# Altium PCB PCB1.PcbDoc (part 1 of 5) (continued)
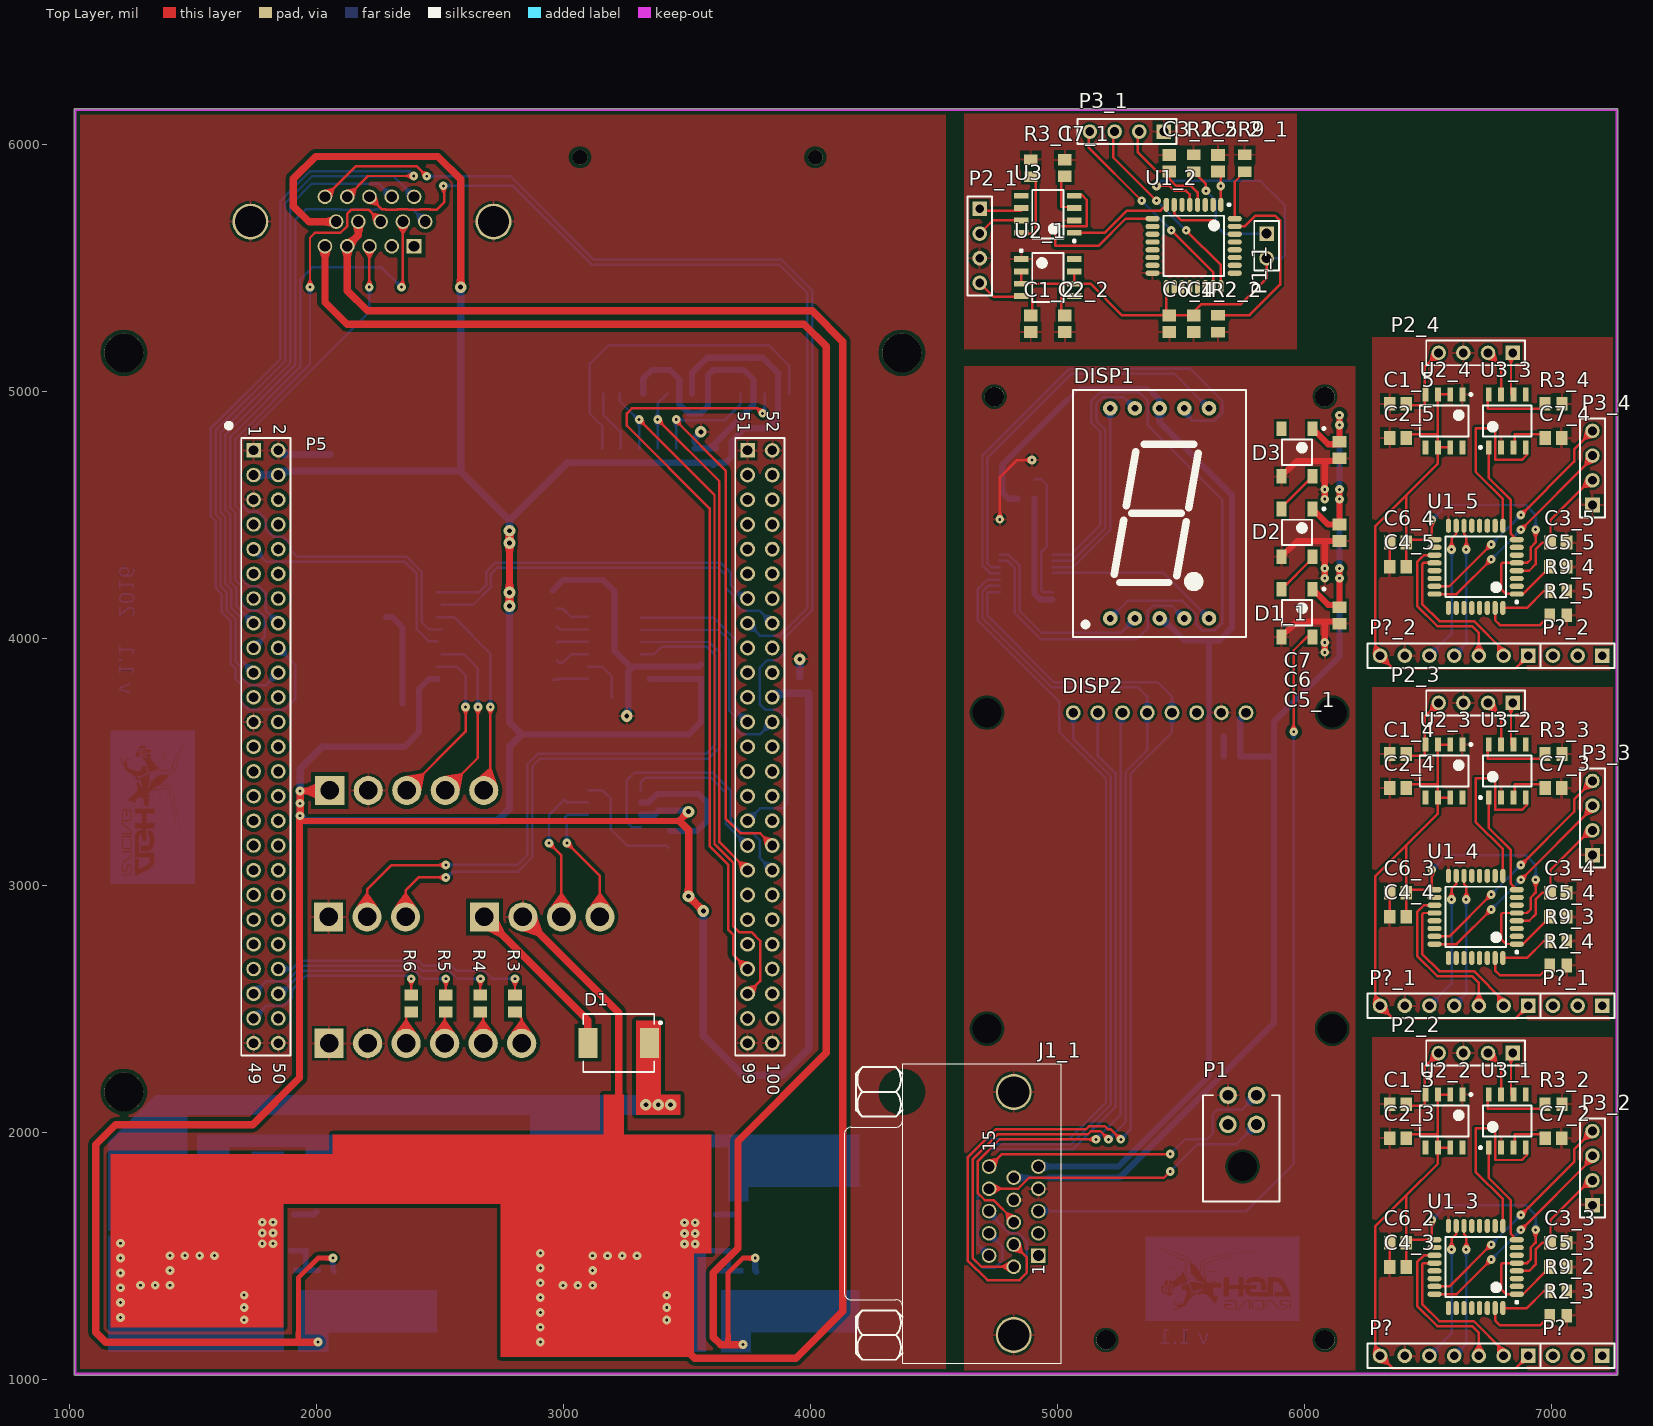
[diagram p0: Top Layer view]
## Footprints (in the part's own frame and the unit in brackets; to place one, negate y for a bottom-side part, rotate by r counter-clockwise, add the part's x,y. Pads: shape width x height; smd on the part's side, far side on the other; paste and mask are expansions set on the pad) (continued)
  silkscreen extent -5.08,-1.27 5.08,1.27, body extent -5.08,-1.27 5.08,1.27, height 8.6
HDR1X7 [mm]
  rect 1.5x1.5 hole 0.9: 1(-7.62,0)
  round 1.5 hole 0.9: 2(-5.08,0) 3(-2.54,0) 4(0,0) 5(2.54,0) 6(5.08,0) 7(7.62,0)
  silkscreen extent -8.89,-1.27 8.89,1.27, body extent -8.89,-1.27 8.89,1.27, height 8.6
HDR_1x3_3_94_LOCKING [mm]
  rect 3x3 hole 1.9: 1(-3.96,0)
  round 3 hole 1.9: 2(0,0) 3(3.96,0)
  silkscreen extent -6.25,-5.84 6.25,4.83
HDR_1x4_3_94_LOCKING [mm]
  rect 3x3 hole 1.9: 1(-5.94,0)
  round 3 hole 1.9: 2(-1.98,0) 3(1.98,0) 4(5.94,0)
  silkscreen extent -8.23,-5.84 8.23,4.83, body extent -7.97,-5.6 7.98,4.6, height 13.85
HDR_1x5_3_94_LOCKING [mm]
  rect 3x3 hole 1.9: 1(-15.84,0)
  round 3 hole 1.9: 2(-11.88,0) 3(-7.92,0) 4(-3.96,0) 5(0,0)
  silkscreen extent -18.13,-5.84 2.29,4.83, body extent -17.92,-5.6 1.99,4.6, height 13.85
HDR_1x6_3_94_LOCKING [mm]
  rect 3x3 hole 1.9: 1(-9.9,0)
  round 3 hole 1.9: 2(-5.94,0) 3(-1.98,0) 4(1.98,0) 5(5.94,0) 6(9.9,0)
  silkscreen extent -12.19,-5.84 12.19,4.83, body extent -11.93,-5.6 11.94,4.6, height 13.85
IND_DL50_IPC_MD [mm] "DL50, Inductor, Ferrocore, IPC Medium Density"
  rect 3.7x2.65 smd: 1(-8,0) 2(8,0)
  silkscreen extent -9.3,-7.6 9.3,7.6, body extent -9.18,-7.62 9.18,7.62, height 7.21
LQFP32_IPS_MD [mm] "LQFP, 32-Leads, Body 7,00x7,00mm, Pitch 0,80mm, IPC Medium Density"
  oval 1.45x0.55 smd mask+0.15: 1(-4.225,2.8) 2(-4.225,2) 3(-4.225,1.2) 4(-4.225,0.4) 5(-4.225,-0.4) 6(-4.225,-1.2) 7(-4.225,-2) 8(-4.225,-2.8) 17(4.225,-2.8) 18(4.225,-2) 19(4.225,-1.2) 20(4.225,-0.4) 21(4.225,0.4) 22(4.225,1.2) 23(4.225,2) 24(4.225,2.8)
  oval 0.55x1.45 smd mask+0.15: 9(-2.8,-4.225) 10(-2,-4.225) 11(-1.2,-4.225) 12(-0.4,-4.225) 13(0.4,-4.225) 14(1.2,-4.225) 15(2,-4.225) 16(2.8,-4.225) 25(2.8,4.225) 26(2,4.225) 27(1.2,4.225) 28(0.4,4.225) 29(-0.4,4.225) 30(-1.2,4.225) 31(-2,4.225) 32(-2.8,4.225)
  silkscreen extent -4.35,-3.1 3.1,3.75, body extent -4.5,-4.5 4.5,4.5, height 1.6
MOLEX_4_PIN [mm]
  round 1.8 hole 1.12: 1(1.45,0.66) 2(1.475,3.66) 3(-1.475,0.66) 4(-1.45,3.66)
  round 0 hole 3: ""(0.025,-3.66)
  silkscreen extent -4.04,-7.26 3.84,3.66, body extent -5.05,-8.26 5.1,3.98, height 8.77
OLED_1.3_INCH [mm]
  round 1.524 hole 1: 1(8.89,0) 2(6.35,0) 3(3.81,0) 4(1.27,0) 5(-1.27,0) 6(-3.81,0) 7(-6.35,0) 8(-8.89,0)
  round 0 hole 3: ""(-17.75,-32.5) ""(-17.75,0) ""(17.75,-32.5) ""(17.75,0)
  body extent -20.25,-35 20.25,2.5, height 12.5
RES_0805_IPC_MD [mm] "Chip Resistor, 2-Leads, 0805, Royal Ohm, IPC Medium Density"
  rect 1.1x1.4 smd: 1(-0.875,0) 2(0.875,0)
  body extent -1.08,-0.7 1.07,0.7, height 0.65
RES_1206_IPC_MD [mm] "Chip Resistor, 2-Leads, 1206, IPC Medium Density"
  rect 1.25x1.75 smd: 1(-1.4,0) 2(1.4,0)
  silkscreen extent -0.4,-0.77 0.4,0.77, body extent -1.68,-0.87 1.68,0.87, height 0.71
SO_16_IPC_MD [mm] "SO, 16-Leads, Pitch 1,27mm, IPC Medium Density"
  rect 1.45x0.6 smd: 1(-2.725,4.445) 2(-2.725,3.175) 3(-2.725,1.905) 4(-2.725,0.635) 5(-2.725,-0.635) 6(-2.725,-1.905) 7(-2.725,-3.175) 8(-2.725,-4.445) 9(2.725,-4.445) 10(2.725,-3.175) 11(2.725,-1.905) 12(2.725,-0.635) 13(2.725,0.635) 14(2.725,1.905) 15(2.725,3.175) 16(2.725,4.445)
  silkscreen extent -2.85,-5 1.6,5.42, body extent -3,-5 3,5, height 1.75
SOIC_8_IPC_MD [mm] "SOIC, 8-Leads, Pitch 1,27mm, IPC Medium Density"
  rect 1.45x0.6 smd: 1(-2.725,1.905) 2(-2.725,0.635) 3(-2.725,-0.635) 4(-2.725,-1.905) 5(2.725,-1.905) 6(2.725,-0.635) 7(2.725,0.635) 8(2.725,1.905)
  silkscreen extent -2.85,-2.5 1.6,2.88, body extent -3,-2.5 3,2.5, height 1.75
SOIC_8_THERMAL_PAD_IPC_MD [mm] "SOIC, 8-Leads, Thermal Pad 3,10x2,60mm, IPC Medium Density"
  rect 1.45x0.6 smd: 1(-2.725,1.905) 2(-2.725,0.635) 3(-2.725,-0.635) 4(-2.725,-1.905) 5(2.725,-1.905) 6(2.725,-0.635) 7(2.725,0.635) 8(2.725,1.905)
  rect 2.6x3.1 smd: 9(0,0)
  silkscreen extent -2.85,-2.5 1.6,2.88, body extent -3,-2.5 3,2.5, height 1.75
SSOP_16_IPC_MD [mm] "SSOP, 16-Leads, Pitch 0,64mm, IPC Medium Density"
  rect 1.45x0.35 smd mask+0.145: 1(-2.725,2.24) 2(-2.725,1.6) 3(-2.725,0.96) 4(-2.725,0.32) 5(-2.725,-0.32) 6(-2.725,-0.96) 7(-2.725,-1.6) 8(-2.725,-2.24) 9(2.725,-2.24) 10(2.725,-1.6) 11(2.725,-0.96) 12(2.725,-0.32) 13(2.725,0.32) 14(2.725,0.96) 15(2.725,1.6) 16(2.725,2.24)
  silkscreen extent -2.85,-2.5 1.6,3.14, body extent -3,-2.5 3,2.5, height 1.75
WS2812B [mm]
  rect 1.5x1 smd: 1(-2.45,1.6) 2(-2.45,-1.6) 3(2.45,-1.6) 4(2.45,1.6)
  silkscreen extent -2.6,-1.52 1.27,2.89, body extent -2.68,-2.48 2.68,2.47, height 1.7

## Part data
C1 C1_1 C1_2 C1_3 C1_4 C1_5 C2 C2_1 C2_2 C2_3 C2_4 C2_5 C3 C3_1 C3_2 C3_3 C3_4 C3_5 C4 C4_1 C4_2 C4_3 C4_4 C4_5 C5 C5_1 C5_2 C5_3 C5_4 C5_5 C6 C6_1 C6_2 C6_3 C6_4 C7 C7_1 C7_2 C7_3 C7_4 C7_U_PS1 C7_U_PS2 C8_U_PS1 C8_U_PS2 C9_U_PS1 C9_U_PS2 C10 C11 C12 C13 C14 C15 C16 C17: "Capacitor"
C6_U_PS1 C6_U_PS2 C19_U_PS1 C19_U_PS2: "Polarized Capacitor (Axial)"
D1 D2_U_PS1 D2_U_PS2: "Schottky Diode"
D1_1 D2 D3: "Programmable RGB LED"
DISP1: "OPTO PLUS LED CORP. OPD-S8023LB-BW"
J1 J1_1: "Receptacle Assembly, 15-Pin, Sim Line Connector"
P1: "4 pin socket"
P1_1: library part "Header 2", "Header, 2-Pin"
P2: library part MHDR1X3, "ST1212 3 pin waterproof connector"
P2_1 P2_2 P2_3 P2_4 P3 P3_1 P3_2 P3_3 P3_4: library part "Header 4", "Header, 4-Pin"
P4: library part "Header 5", "Header, 5-Pin"
P5: "STM32F4DISCOVERY connector for shield"
P6: library part "Header 6", "Header, 6-Pin"
P7: "WR-CRD SD_Push and Push"
P? P?_1 P?_2: "Header, 3-Pin"
R1 R1_1 R1_2 R2 R2_1 R2_2 R2_3 R2_4 R2_5 R3 R3_1 R3_2 R3_3 R3_4 R4 R5 R6 R7_U_PS1 R7_U_PS2 R8_U_PS1 R8_U_PS2 R9 R9_1 R9_2 R9_3 R9_4 R10 R11 R12 R13: "Resistor"
U1 U3 U3_1 U3_2 U3_3: library part SN65HVD230DR, "3.3V CAN Transceiver with Standby Mode, 17 mA, -40 to 85 degC, 8-pin SOIC (D), Green (RoHS & no Sb/Br)"
U1_1: "Led controller"
U1_2 U1_3 U1_4 U1_5: "ARM Cortex-M0 32-bit MCU, 32 KB Flash, 6 KB Internal RAM, 26 I/Os, 32-pin LQFP, -40 to 85 degC, Tray"
U2: "MUX/DEMUX"
U2_1 U2_2 U2_3 U2_4: "Fixed Low Drop Positive Voltage Regulator, 3.3V, 8-Pin SO, Tape and Reel"
U3_U_PS1 U3_U_PS2: "3-A, Wide Input Range, Step-Down Converter"
U4: "Dual EIA-232 Driver / Receiver, -40 to 85 degC, 16-Pin SOIC (DW), Green (RoHS & no Sb/Br)"

## Free pads (board coordinates)
  round 157.48 hole 157.48 unplated: 1(1220.47,2165.35) 1(1220.47,5157.48) 1(4370.08,5157.48)
  round 78.74 hole 78.74 unplated: ""(4744.09,4980.31) ""(5196.85,1161.42) ""(6082.68,1161.42) ""(6082.68,4980.31)

## Via types
v1: diameter 35.43/35.43 (per signal layer), hole 11.81, Top Layer to Bottom Layer, tented both sides, 115 vias
v2: diameter 47.24/47.24 (per signal layer), hole 19.68, Top Layer to Bottom Layer, tented both sides, 14 vias
v3: diameter 35.43, hole 11.81, Top Layer to Bottom Layer, tented both sides, 12 vias

## Nets (pads, with @x,y where several pads share a name; then routed paths per layer and width w, separated by ;. In a path a pad name is that pad's centre, name@x,y a point inside that pad or via, vN(x,y) a via of type N, cw(c..) or ccw(c..) an arc to the next point about the centre after c; other vN are vias at no path point)
pads on no net: C1.1 C1.2 C1_1.1 C1_1.2 C1_2.1 C1_2.2 C1_3.1 C1_3.2 C1_4.1 C1_4.2 C1_5.1 C1_5.2 C2.1 C2.2 C2_1.1 C2_1.2 C2_2.1 C2_2.2 C2_3.1 C2_3.2 C2_4.1 C2_4.2 C2_5.1 C2_5.2 C3.1 C3.2 C3_1.1 C3_1.2 C3_2.1 C3_2.2 C3_3.1 C3_3.2 C3_4.1 C3_4.2 C3_5.1 C3_5.2 C4.1 C4.2 C4_1.1 C4_1.2 C4_2.1 C4_2.2 C4_3.1 C4_3.2 C4_4.1 C4_4.2 C4_5.1 C4_5.2 C5.1 C5.2 C5_1.1 C5_1.2 C5_2.1 C5_2.2 C5_3.1 C5_3.2 C5_4.1 C5_4.2 C5_5.1 C5_5.2 C6.1 C6.2 C6_1.1 C6_1.2 C6_2.1 C6_2.2 C6_3.1 C6_3.2 C6_4.1 C6_4.2 C6_U_PS1.1 C6_U_PS1.2 C6_U_PS2.1 C6_U_PS2.2 C7.1 C7.2 C7_1.1 C7_1.2 C7_2.1 C7_2.2 C7_3.1 C7_3.2 C7_4.1 C7_4.2 C7_U_PS1.1 C7_U_PS1.2 C7_U_PS2.1 C7_U_PS2.2 C8_U_PS1.1 C8_U_PS1.2 C8_U_PS2.1 C8_U_PS2.2 C9_U_PS1.1 C9_U_PS1.2 C9_U_PS2.1 C9_U_PS2.2 C10.1 C10.2 C11.1 C11.2 C12.1 C12.2 C13.1 C13.2 C14.1 C14.2 C15.1 C15.2 C16.1 C16.2 C17.1 C17.2 C19_U_PS1.1 C19_U_PS1.2 C19_U_PS2.1 C19_U_PS2.2 D1.1 D1.2 D1_1.1 D1_1.2 D1_1.3 D1_1.4 D2.1 D2.2 D2.3 D2.4 D2_U_PS1.1 D2_U_PS1.2 D2_U_PS2.1 D2_U_PS2.2 D3.1 D3.2 D3.3 D3.4 DISP1.1 DISP1.2 DISP1.3 DISP1.4 DISP1.5 DISP1.6 DISP1.7 DISP1.8 DISP1.9 DISP1.10 DISP2. DISP2.1 DISP2.2 DISP2.3 DISP2.4 DISP2.5 DISP2.6 DISP2.7 DISP2.8 J1.1 J1.2 J1.3 J1.4 J1.5 J1.6 J1.7 J1.8 J1.9 J1.10 J1.11 J1.12 J1.13 J1.14 J1.15 J1.16 J1.17 J1_1.1 J1_1.2 J1_1.3 J1_1.4 J1_1.5 J1_1.6 J1_1.7 J1_1.8 J1_1.9 J1_1.10 J1_1.11 J1_1.12 J1_1.13 J1_1.14 J1_1.15 J1_1.16 J1_1.17 L1_U_PS1.1 L1_U_PS1.2 L1_U_PS2.1 L1_U_PS2.2 P1. P1.1 P1.2 P1.3 P1.4 P1_1.1 P1_1.2 P2.1 P2.2 P2.3 P2_1.1 P2_1.2 P2_1.3 P2_1.4 P2_2.1 P2_2.2 P2_2.3 P2_2.4 P2_3.1 P2_3.2 P2_3.3 P2_3.4 P2_4.1 P2_4.2 P2_4.3 P2_4.4 P3.1 P3.2 P3.3 P3.4 P3_1.1 P3_1.2 P3_1.3 P3_1.4 P3_2.1 P3_2.2 P3_2.3 P3_2.4 P3_3.1 P3_3.2 P3_3.3 P3_3.4 P3_4.1 P3_4.2 P3_4.3 P3_4.4 P4.1 P4.2 P4.3 P4.4 P4.5 P5.1 P5.2 P5.3 P5.4 P5.5 P5.6 P5.7 P5.8 P5.9 P5.10 P5.11 P5.12 P5.13 P5.14 P5.15 P5.16 P5.17 P5.18 P5.19 P5.20 P5.21 P5.22 P5.23 P5.24 P5.25 P5.26 P5.27 P5.28 P5.29 P5.30 P5.31 P5.32 P5.33 P5.34 P5.35 P5.36 P5.37 P5.38 P5.39 P5.40 P5.41 P5.42 P5.43 P5.44 P5.45 P5.46 P5.47 P5.48 P5.49 P5.50 P5.51 P5.52 P5.53 P5.54 P5.55 P5.56 P5.57 P5.58 P5.59 P5.60 P5.61 P5.62 P5.63 P5.64 P5.65 P5.66 P5.67 P5.68 P5.69 P5.70 P5.71 P5.72 P5.73 P5.74 P5.75 P5.76 P5.77 P5.78 P5.79 P5.80 P5.81 P5.82 P5.83 P5.84 P5.85 P5.86 P5.87 P5.88 P5.89 P5.90 P5.91 P5.92 P5.93 P5.94 P5.95 P5.96 P5.97 P5.98 P5.99 P5.100 P6.1 P6.2 P6.3 P6.4 P6.5 P6.6 P7. P7.1 P7.2 P7.3 P7.4 P7.5 P7.6 P7.7 P7.8 P7.9 P7.CD P7.WP P7.Z1 P7.Z2 P?.1 P?.2 P?.3 P?.4 P?.5 P?.6 P?.7 P?_1.1 P?_1.2 P?_1.3 P?_1.4 P?_1.5 P?_1.6 P?_1.7 P?_2.1 P?_2.2 P?_2.3 P?_2.4 P?_2.5 P?_2.6 P?_2.7 R1.1 R1.2 R1_1.1 R1_1.2 R1_2.1 R1_2.2 R2.1 R2.2 R2_1.1 R2_1.2 R2_2.1 R2_2.2 R2_3.1 R2_3.2 R2_4.1 R2_4.2 R2_5.1 R2_5.2 R3.1 R3.2 R3_1.1 R3_1.2 R3_2.1 R3_2.2 R3_3.1 R3_3.2 R3_4.1 R3_4.2 R4.1 R4.2 R5.1 R5.2 R6.1 R6.2 R7_U_PS1.1 R7_U_PS1.2 R7_U_PS2.1 R7_U_PS2.2 R8_U_PS1.1 R8_U_PS1.2 R8_U_PS2.1 R8_U_PS2.2 R9.1 R9.2 R9_1.1 R9_1.2 R9_2.1 R9_2.2 R9_3.1 R9_3.2 R9_4.1 R9_4.2 R10.1 R10.2 R11.1 R11.2 R12.1 R12.2 R13.1 R13.2 U1.1 U1.2 U1.3 U1.4 U1.5 U1.6 U1.7 U1.8 U1_1.1 U1_1.2 U1_1.3 U1_1.4 U1_1.5 U1_1.6 U1_1.7 U1_1.8 U1_1.9 U1_1.10 U1_1.11 U1_1.12 U1_1.13 U1_1.14 U1_1.15 U1_1.16 U1_2.1 U1_2.2 U1_2.3 U1_2.4 U1_2.5 U1_2.6 U1_2.7 U1_2.8 U1_2.9 U1_2.10 U1_2.11 U1_2.12 U1_2.13 U1_2.14 U1_2.15 U1_2.16 U1_2.17 U1_2.18 U1_2.19 U1_2.20 U1_2.21 U1_2.22 U1_2.23 U1_2.24 U1_2.25 U1_2.26 U1_2.27 U1_2.28 U1_2.29 U1_2.30 U1_2.31 U1_2.32 U1_3.1 U1_3.2 U1_3.3 U1_3.4 U1_3.5 U1_3.6 U1_3.7 U1_3.8 U1_3.9 U1_3.10 U1_3.11 U1_3.12 U1_3.13 U1_3.14 U1_3.15 U1_3.16 U1_3.17 U1_3.18 U1_3.19 U1_3.20 U1_3.21 U1_3.22 U1_3.23 U1_3.24 U1_3.25 U1_3.26 U1_3.27 U1_3.28 U1_3.29 U1_3.30 U1_3.31 U1_3.32 U1_4.1 U1_4.2 U1_4.3 U1_4.4 U1_4.5 U1_4.6 U1_4.7 U1_4.8 U1_4.9 U1_4.10 U1_4.11 U1_4.12 U1_4.13 U1_4.14 U1_4.15 U1_4.16 U1_4.17 U1_4.18 U1_4.19 U1_4.20 U1_4.21 U1_4.22 U1_4.23 U1_4.24 U1_4.25 U1_4.26 U1_4.27 U1_4.28 U1_4.29 U1_4.30 U1_4.31 U1_4.32 U1_5.1 U1_5.2 U1_5.3 U1_5.4 U1_5.5 U1_5.6 U1_5.7 U1_5.8 U1_5.9 U1_5.10 U1_5.11 U1_5.12 U1_5.13 U1_5.14 U1_5.15 U1_5.16 U1_5.17 U1_5.18 U1_5.19 U1_5.20 U1_5.21 U1_5.22 U1_5.23 U1_5.24 U1_5.25 U1_5.26 U1_5.27 U1_5.28 U1_5.29 U1_5.30 U1_5.31 U1_5.32 U2.1 U2.2 U2.3 U2.4 U2.5 U2.6 U2.7 U2.8 U2.9 U2.10 U2.11 U2.12 U2.13 U2.14 U2.15 U2.16 U2_1.1 U2_1.2 U2_1.3 U2_1.4 U2_1.5 U2_1.6 U2_1.7 U2_1.8 U2_2.1 U2_2.2 U2_2.3 U2_2.4 U2_2.5 U2_2.6 U2_2.7 U2_2.8 U2_3.1 U2_3.2 U2_3.3 U2_3.4 U2_3.5 U2_3.6 U2_3.7 U2_3.8 U2_4.1 U2_4.2 U2_4.3 U2_4.4 U2_4.5 U2_4.6 U2_4.7 U2_4.8 U3.1 U3.2 U3.3 U3.4 U3.5 U3.6 U3.7 U3.8 U3_1.1 U3_1.2 U3_1.3 U3_1.4 U3_1.5 U3_1.6 U3_1.7 U3_1.8 U3_2.1 U3_2.2 U3_2.3 U3_2.4 U3_2.5 U3_2.6 U3_2.7 U3_2.8 U3_3.1 U3_3.2 U3_3.3 U3_3.4 U3_3.5 U3_3.6 U3_3.7 U3_3.8 U3_U_PS1.1 U3_U_PS1.2 U3_U_PS1.3 U3_U_PS1.4 U3_U_PS1.5 U3_U_PS1.6 U3_U_PS1.7 U3_U_PS1.8 U3_U_PS1.9 U3_U_PS2.1 U3_U_PS2.2 U3_U_PS2.3 U3_U_PS2.4 U3_U_PS2.5 U3_U_PS2.6 U3_U_PS2.7 U3_U_PS2.8 U3_U_PS2.9 U4.1 U4.2 U4.3 U4.4 U4.5 U4.6 U4.7 U4.8 U4.9 U4.10 U4.11 U4.12 U4.13 U4.14 U4.15 U4.16
copper on no net: | length 526838
  Top Layer w10: v1(1973.62,5423.62) 1973.62,5623.62 1993.62,5643.62 2096.95,5643.62 2124.97,5671.64 2124.97,5721.27 2141.3,5737.6 2211.02,5737.6 2259.65,5688.98 ; 2034.26,5788.98 2157.88,5912.6 2406.3,5912.6 v1(2446.3,5872.6) ; 2124.42,5788.98 2207.17,5871.73 2206.3,5872.6 2207.32,5873.62 v1(2393.62,5873.62) ; 2204.72,2874.02 2204.72,2984.72 2303.62,3083.62 v1(2523.62,3083.62) ; v1(2213.62,5423.62) 2213.62,5569.92 2223.62,5579.92 2214.57,5588.98 ; 2214.57,5788.98 2265.04,5738.5 2280.16,5738.5 2281.07,5737.6 2328.39,5737.6 2329.29,5738.5 2370.32,5738.5 2371.23,5737.6 2418.55,5737.6 2419.45,5738.5 2460.48,5738.5 2461.39,5737.6 2487.6,5737.6 2516.34,5766.34 2516.34,5827.56 v1@2510.28,5833.62 ; v1(2343.62,5423.62) 2349.81,5429.81 2349.81,5688.98 ; 2360.63,2874.02 2360.63,2980.63 2413.62,3033.62 v1(2523.62,3033.62) ; 2362.99,2362.2 2362.99,2468.54 2383.62,2489.17 ; 2365.35,3385.83 2603.62,3624.09 v1(2603.62,3723.62) ; 2383.62,2558.07 v1(2383.62,2623.62) ; 2394.89,5788.98 2400.24,5783.62 ; 2439.97,5688.98 2445.32,5683.62 ; v1@2502.32,5833.62 v1(2513.62,5833.62) ; 2518.9,2362.2 2518.9,2484.45 2523.62,2489.17 ; 2521.26,3385.83 2653.62,3518.19 v1(2653.62,3723.62) ; 2523.62,2558.07 v1(2523.62,2623.62) ; 2663.62,2489.17 2674.8,2477.99 2674.8,2362.2 ; 2663.62,2558.07 v1(2663.62,2623.62) ; 2677.17,3385.83 2703.62,3412.28 v1(2703.62,3723.62) ; 2803.62,2489.17 2830.71,2462.09 2830.71,2362.2 ; 2803.62,2558.07 v1(2803.62,2623.62) ; v1(2941.3,3172.6) 2991.34,3122.56 2991.34,2874.02 ; v1(3013.62,3173.62) 3147.24,3040 3147.24,2874.02 ; v1(3306.3,4887.6) 3611.3,4582.6 3611.3,3168.68 3686.3,3093.68 3686.3,2837.6 3711.3,2812.6 3761.3,2812.6 3796.3,2777.6 3796.3,2614.02 3745.28,2562.99 ; v1(3381.3,4887.6) 3631.3,4637.6 3631.3,3176.97 3739.76,3068.5 3739.76,3057.48 ; v1(3456.3,4887.6) 3456.3,4881.03 3656.3,4681.03 3656.3,3272.6 3716.3,3212.6 3795.67,3212.6 3845.28,3162.99 ; 3745.28,2662.99 3686.3,2721.97 3686.3,2802.6 3666.3,2822.6 3666.3,3085.4 3591.3,3160.4 3591.3,4527.6 3256.3,4862.6 3256.3,4912.6 3276.3,4932.6 3786.3,4932.6 v1(3806.3,4912.6) ; 4685.04,5440.55 4741.73,5383.86 4897.83,5383.86 4897.83,5309.06 ; 4685.04,5640.55 4737.99,5693.5 4843.5,5693.5 4853.35,5693.5 ; 4685.04,5740.55 4691.93,5733.66 4853.35,5733.66 ; 4721.26,1661.42 4721.26,1665.43 ; 4722.83,1773.77 4841.28,1773.77 4885.25,1817.75 5430.43,1817.75 v1(5456.3,1843.62) ; 4722.83,1844.25 4722.83,1861.41 4775.04,1913.62 5123.57,1913.62 5124.24,1912.95 5455.63,1912.95 v1(5456.3,1913.62) ; v1(4766.3,4483.62) 4766.3,4653.62 4836.3,4723.62 v1(4896.3,4723.62) ; 4822.83,1457.67 4692.25,1457.67 4656.3,1493.62 4656.3,1891.91 4758.02,1993.62 5122.46,1993.62 5135.18,2006.34 5173.58,2006.34 v1(5206.3,1973.62) ; 4822.83,1547.83 4876.3,1494.37 4876.3,1433.62 4846.3,1403.62 4716.3,1403.62 4636.3,1483.62 4636.3,1900.19 4749.73,2013.62 5114.18,2013.62 5126.89,2026.34 5191.87,2026.34 5204.58,2013.62 5216.3,2013.62 v1(5256.3,1973.62) ; 4822.83,1637.99 4822.83,1646.04 4741.28,1727.6 4705.49,1727.6 4676.3,1756.79 4676.3,1883.62 4766.3,1973.62 v1(5156.3,1973.62) ; 4853.35,5487.6 4853.35,5437.6 5067.91,5437.6 ; 4853.35,5643.5 4863.19,5643.5 4859.45,5639.76 4911.42,5639.76 4911.42,5871.06 ; 4921.26,1661.42 4940.95,1681.1 4922.83,1681.1 ; 5009.84,5437.6 5014.37,5433.07 5014.37,5309.06 ; 5014.37,5872.05 5014.37,5748.03 5053.54,5748.03 5058.07,5743.5 5067.91,5743.5 ; 5067.91,5487.6 5067.91,5437.6 ; 5067.91,5643.5 5190.91,5643.5 5280.94,5733.54 5417.6,5733.54 5440.94,5756.89 ; 5072.83,5788.58 5081.5,5797.24 5098.43,5797.24 5118.11,5777.56 5118.11,5669.29 4990.16,5669.29 4990.16,5590.55 5166.24,5590.55 5276.47,5700.79 5384.84,5700.79 ; 5125.59,6053.54 5125.59,5988.9 v1(5340.94,5773.54) ; 5240.94,6053.54 5225.59,6038.19 5225.59,5948.9 v1(5400.94,5773.54) ; 5325.59,6053.54 5325.59,5968.9 5400.94,5893.54 5450.94,5893.54 5452.76,5891.73 5452.76,5861.73 5480.94,5833.54 5540.94,5833.54 5566.93,5807.56 5566.93,5756.89 ; v1(5400.94,5833.54) 5452.66,5833.54 5472.66,5813.54 5520.94,5813.54 5535.43,5799.06 5535.43,5756.89 ; 5440.94,5424.21 5440.94,5320.87 5452.76,5309.06 ; v1(5460.94,5653.54) 5629.92,5484.57 5629.92,5424.21 ; 5472.44,5756.89 5472.44,5722.05 5500.94,5693.54 5629.92,5693.54 5629.92,5684.57 v1(5640.94,5673.54) ; v1(5520.94,5653.54) 5661.42,5513.07 5661.42,5424.21 ; 5540.94,5893.54 5548.39,5893.54 5551.18,5890.75 5600.94,5840.98 v1(5600.94,5813.54) ; 5649.61,5310.04 5777.44,5310.04 5900.94,5433.54 5900.94,5693.54 5880.94,5713.54 5800.94,5713.54 5756.69,5669.29 5717.52,5669.29 ; 5649.61,5891.73 5661.42,5879.92 5661.42,5756.89 ; 5717.52,5700.79 5717.52,5850.39 5757.87,5890.75 ; 5846.46,5540.55 5846.46,5459.06 5740.94,5353.54 5580.94,5353.54 5551.18,5323.78 5551.18,5309.06 5452.76,5309.06 ; 5906.65,4200.24 6032.64,4326.22 6032.64,4332.32 ; 5906.65,4525.24 5906.65,4531.34 6032.64,4657.32 ; v1(5956.3,3623.62) 5956.3,3953.62 6010,4007.32 6032.64,4007.32 ; 6285.91,1086.93 6285.91,1620.55 6411.42,1746.06 ; 6285.91,1116.93 6305.91,1096.93 6355.91,1046.93 6855.91,1046.93 6905.91,1096.93 ; 6285.91,2504.25 6285.91,3037.87 6411.42,3163.39 ; 6285.91,2534.25 6305.91,2514.25 6355.91,2464.25 6855.91,2464.25 6905.91,2514.25 ; 6285.91,3921.57 6285.91,4455.2 6411.42,4580.71 ; 6285.91,3951.57 6305.91,3931.57 6355.91,3881.57 6855.91,3881.57 6905.91,3931.57 ; 6344.49,1456.69 6344.49,1555.12 ; 6344.49,2874.02 6344.49,2972.44 ; 6344.49,4291.34 6344.49,4389.76 ; 6411.42,1455.47 6411.42,1456.69 ; 6411.42,1993.5 6535.43,1993.5 6539.96,1998.03 ; 6411.42,2110.04 6486.22,2110.04 6486.22,2266.14 6542.91,2322.83 ; 6411.42,2872.79 6411.42,2874.02 ; 6411.42,3410.83 6535.43,3410.83 6539.96,3415.35 ; 6411.42,3527.36 6486.22,3527.36 6486.22,3683.46 6542.91,3740.16 ; 6411.42,4290.12 6411.42,4291.34 ; 6411.42,4828.15 6535.43,4828.15 6539.96,4832.68 ; 6411.42,4944.69 6486.22,4944.69 6486.22,5100.79 6542.91,5157.48 ; 6426.14,1456.69 6411.42,1456.69 ; 6426.14,2874.02 6411.42,2874.02 ; 6426.14,4291.34 6411.42,4291.34 ; v1(6515.57,1647.27) 6515.57,1577.93 6526.57,1566.93 6423.23,1566.93 6411.42,1555.12 ; v1(6515.57,3064.59) 6515.57,2995.25 6526.57,2984.25 6423.23,2984.25 6411.42,2972.44 ; v1(6515.57,4481.91) 6515.57,4412.57 6526.57,4401.57 6423.23,4401.57 6411.42,4389.76 ; 6526.57,1346.46 6615.43,1346.46 v1(6755.91,1486.93) ; 6526.57,1377.95 6586.93,1377.95 v1(6755.91,1546.93) ; 6526.57,1472.44 6481.54,1472.44 6475.91,1466.81 6475.91,1306.93 6545.91,1236.93 6685.91,1236.93 6805.91,1116.93 ; 6526.57,1503.94 6483.37,1503.94 6455.91,1476.47 6455.91,1298.64 6537.62,1216.93 6677.62,1216.93 6705.91,1188.64 6705.91,1096.93 ; 6526.57,2763.78 6615.43,2763.78 v1(6755.91,2904.25) ; 6526.57,2795.28 6586.93,2795.28 v1(6755.91,2964.25) ; 6526.57,2889.76 6481.54,2889.76 6475.91,2884.13 6475.91,2724.25 6545.91,2654.25 6685.91,2654.25 6805.91,2534.25 ; 6526.57,2921.26 6483.37,2921.26 6455.91,2893.8 6455.91,2715.97 6537.62,2634.25 6677.62,2634.25 6705.91,2605.97 6705.91,2514.25 ; 6526.57,4181.1 6615.43,4181.1 v1(6755.91,4321.57) ; 6526.57,4212.6 6586.93,4212.6 v1(6755.91,4381.57) ; 6526.57,4307.09 6481.54,4307.09 6475.91,4301.46 6475.91,4141.57 6545.91,4071.57 6685.91,4071.57 6805.91,3951.57 ; 6526.57,4338.58 6483.37,4338.58 6455.91,4311.12 6455.91,4133.29 6537.62,4051.57 6677.62,4051.57 6705.91,4023.29 6705.91,3931.57 ; 6589.96,1939.96 6539.96,1939.96 ; 6589.96,2154.53 6539.96,2154.53 6539.96,1939.96 ; 6589.96,3357.28 6539.96,3357.28 ; 6589.96,3571.85 6539.96,3571.85 6539.96,3357.28 ; 6589.96,4774.61 6539.96,4774.61 ; 6589.96,4989.17 6539.96,4989.17 6539.96,4774.61 ; v1@6595.91,1526.93 6595.91,1571.22 6614.17,1589.49 6614.17,1623.03 ; v1@6595.91,2944.25 6595.91,2988.54 6614.17,3006.81 6614.17,3040.35 ; v1@6595.91,4361.57 6595.91,4405.87 6614.17,4424.13 6614.17,4457.68 ; 6645.67,1623.03 6645.67,1589.49 6654.92,1580.24 v1@6654.92,1526.93 ; 6645.67,3040.35 6645.67,3006.81 6654.92,2997.56 v1@6654.92,2944.25 ; 6645.67,4457.68 6645.67,4424.13 6654.92,4414.88 v1@6654.92,4361.57 ; 6742.91,2322.83 6795.87,2269.88 6795.87,2164.37 6795.87,2154.53 ; 6742.91,3740.16 6795.87,3687.2 6795.87,3581.69 6795.87,3571.85 ; 6742.91,5157.48 6795.87,5104.53 6795.87,4999.02 6795.87,4989.17 ; 6745.87,1939.96 6745.87,1816.97 6835.91,1726.93 6835.91,1590.28 6859.25,1566.93 ; 6745.87,2154.53 6745.87,2144.68 6742.13,2148.43 6742.13,2096.46 6973.43,2096.46 ; 6745.87,3357.28 6745.87,3234.29 6835.91,3144.25 6835.91,3007.6 6859.25,2984.25 ; 6745.87,3571.85 6745.87,3562.01 6742.13,3565.75 6742.13,3513.78 6973.43,3513.78 ; 6745.87,4774.61 6745.87,4651.61 6835.91,4561.57 6835.91,4424.92 6859.25,4401.57 ; 6745.87,4989.17 6745.87,4979.33 6742.13,4983.07 6742.13,4931.1 6973.43,4931.1 ; 6771.65,1290.35 6771.65,1240.16 6791.34,1220.47 6953.74,1220.47 6993.11,1259.84 ; 6771.65,2707.68 6771.65,2657.48 6791.34,2637.8 6953.74,2637.8 6993.11,2677.17 ; 6771.65,4125 6771.65,4074.8 6791.34,4055.12 6953.74,4055.12 6993.11,4094.49 ; 6803.15,1290.35 6900.59,1290.35 6968.5,1358.27 6988.19,1358.27 ; 6803.15,1623.03 6803.15,1731.4 6692.91,1841.64 6692.91,2017.72 6771.65,2017.72 6771.65,1889.76 6879.92,1889.76 6899.61,1909.45 6899.61,1926.38 6890.94,1935.04 ; 6803.15,2707.68 6900.59,2707.68 6968.5,2775.59 6988.19,2775.59 ; 6803.15,3040.35 6803.15,3148.72 6692.91,3258.96 6692.91,3435.04 6771.65,3435.04 6771.65,3307.09 6879.92,3307.09 6899.61,3326.77 6899.61,3343.7 6890.94,3352.36 ; 6803.15,4125 6900.59,4125 6968.5,4192.91 6988.19,4192.91 ; 6803.15,4457.68 6803.15,4566.05 6692.91,4676.28 6692.91,4852.36 6771.65,4852.36 6771.65,4724.41 6879.92,4724.41 6899.61,4744.09 6899.61,4761.02 6890.94,4769.69 ; 6836.02,2154.53 6836.02,2315.94 6842.91,2322.83 ; 6836.02,3571.85 6836.02,3733.27 6842.91,3740.16 ; 6836.02,4989.17 6836.02,5150.59 6842.91,5157.48 ; 6845.87,1939.96 6845.87,1949.8 6850.39,1954.33 6850.39,1993.5 6974.41,1993.5 ; 6845.87,3357.28 6845.87,3367.13 6850.39,3371.65 6850.39,3410.83 6974.41,3410.83 ; 6845.87,4774.61 6845.87,4784.45 6850.39,4788.98 6850.39,4828.15 6974.41,4828.15 ; 6859.25,1440.94 6909.92,1440.94 6935.91,1466.93 6935.91,1526.93 6964.09,1555.12 6994.09,1555.12 6995.91,1556.93 6995.91,1646.93 7155.91,1806.93 7165.91,1806.93 ; 6859.25,2858.27 6909.92,2858.27 6935.91,2884.25 6935.91,2944.25 6964.09,2972.44 6994.09,2972.44 6995.91,2974.25 6995.91,3064.25 7155.91,3224.25 7165.91,3224.25 ; 6859.25,4275.59 6909.92,4275.59 6935.91,4301.57 6935.91,4361.57 6964.09,4389.76 6994.09,4389.76 6995.91,4391.57 6995.91,4481.57 7155.91,4641.57 7165.91,4641.57 ; v1(6875.91,1606.93) 7165.91,1896.93 7165.91,1906.93 7175.55,1897.28 ; v1(6875.91,1666.93) 7091.26,1882.28 7091.26,1932.28 7155.91,1996.93 7165.91,2006.93 ; v1(6875.91,3024.25) 7165.91,3314.25 7165.91,3324.25 7175.55,3314.61 ; v1(6875.91,3084.25) 7091.26,3299.61 7091.26,3349.61 7155.91,3414.25 7165.91,3424.25 ; v1(6875.91,4441.57) 7165.91,4731.57 7165.91,4741.57 7175.55,4731.93 ; v1(6875.91,4501.57) 7091.26,4716.93 7091.26,4766.93 7155.91,4831.57 7165.91,4841.57 ; v1(6935.91,1606.93) 6935.91,1555.21 6915.91,1535.21 6915.91,1486.93 6901.42,1472.44 6859.25,1472.44 6801.42,1472.44 6795.91,1466.93 6795.91,1366.93 6815.91,1346.93 6858.78,1346.93 6859.25,1346.46 6883.86,1346.46 6994.09,1456.69 ; v1(6935.91,3024.25) 6935.91,2972.54 6915.91,2952.54 6915.91,2904.25 6901.42,2889.76 6859.25,2889.76 6801.42,2889.76 6795.91,2884.25 6795.91,2784.25 6815.91,2764.25 6858.78,2764.25 6859.25,2763.78 6883.86,2763.78 6994.09,2874.02 ; v1(6935.91,4441.57) 6935.91,4389.86 6915.91,4369.86 6915.91,4321.57 6901.42,4307.09 6859.25,4307.09 6801.42,4307.09 6795.91,4301.57 6795.91,4201.57 6815.91,4181.57 6858.78,4181.57 6859.25,4181.1 6883.86,4181.1 6994.09,4291.34 ; 5067.91,5437.6 5133.27,5437.6 5261.81,5309.06 5452.76,5309.06 ; 6411.42,1456.69 6411.42,1555.12 ; 6411.42,1555.12 6411.42,1746.06 ; 6411.42,1746.06 6539.96,1874.61 6539.96,1939.96 ; 6411.42,2874.02 6411.42,2972.44 ; 6411.42,2972.44 6411.42,3163.39 ; 6411.42,3163.39 6539.96,3291.93 6539.96,3357.28 ; 6411.42,4291.34 6411.42,4389.76 ; 6411.42,4389.76 6411.42,4580.71 ; 6411.42,4580.71 6539.96,4709.25 6539.96,4774.61
  Top Layer w20: 1926.3,1152.6 1926.3,1412.6 2006.3,1492.6 v1(2066.3,1492.6) ; 3666.3,1142.6 3666.3,1432.6 3726.3,1492.6 v1(3776.3,1492.6)
  Top Layer w25: v1(1933.62,3283.62) 1933.62,3262.6 3468.8,3262.6 v2(3506.3,3300.1) ; v2(3506.3,2957.6) v2@3516.23,2956.77 ; 4822.83,1816.33 4824.13,1815.04 ; 5402.05,4933.07 5418.2,4933.07 ; 5903.19,4328.86 5906.65,4332.32 5969.65,4395.31 6083.82,4395.31 ; 5903.19,4653.86 5906.65,4657.32 5969.65,4720.31 6083.82,4720.31 ; 5906.65,4007.32 5969.65,4070.32 6083.82,4070.32 ; 6032.64,4200.24 6095.63,4137.24 6144.65,4137.24 ; 6032.64,4525.24 6095.63,4462.24 6144.65,4462.24 ; 6032.64,4850.24 6095.63,4787.24 6144.65,4787.24 ; v1(6082.05,3945.04) 6082.05,4068.54 6083.82,4070.32 ; v1(6082.05,4245.04) 6082.05,4393.54 6083.82,4395.31 ; v1(6082.05,4565.04) 6082.05,4718.54 6083.82,4720.31 ; 6142.05,4139.84 v1(6142.05,4245.04) v1(6142.05,4285.04) ; 6142.05,4464.84 v1(6142.05,4565.04) v1(6142.05,4605.04) ; 6142.05,4789.84 v1(6142.05,4865.04) v1(6142.05,4905.04) ; 6144.65,4070.32 6083.82,4070.32 ; 6144.65,4395.31 6083.82,4395.31 ; 6144.65,4720.31 6083.82,4720.31
  Top Layer w30: v1(2006.3,1152.6) 1146.3,1152.6 1106.3,1192.6 1106.3,1952.6 1186.3,2032.6 1741.3,2032.6 1931.3,2222.6 1931.3,3281.3 v1(1933.62,3283.62) v1(1933.62,3333.62) v1(1933.62,3383.62) 2051.34,3383.62 2053.54,3385.83 ; 2034.25,5588.98 2034.25,5363 2123.62,5273.62 3973.62,5273.62 4063.62,5183.62 4063.62,2323.62 3706.3,1966.3 3706.3,1532.6 3606.3,1432.6 3606.3,1172.6 3636.3,1142.6 3666.3,1142.6 v1(3726.3,1142.6) ; 2081.3,5687.6 1969.65,5687.6 1906.3,5750.94 1906.3,5862.6 1996.3,5952.6 2491.3,5952.6 2583.62,5860.28 v2(2583.62,5423.62) ; 2169.5,5688.98 2169.5,5634.06 2124.42,5588.98 2124.42,5409.48 2206.3,5327.6 4006.3,5327.6 4131.3,5202.6 4131.3,1277.6 3941.3,1087.6 3531.3,1087.6 3476.3,1142.6 ; 2679.53,2874.02 3098.62,2454.92 3098.62,2363.62 ; v2(2781.3,4132.6) v2(2781.3,4187.6) v2(2781.3,4387.6) v2(2781.3,4437.6) ; 2835.43,2874.02 3223.62,2485.83 3223.62,2143.62 ; 3468.8,3262.6 3506.3,3225.1 v2(3506.3,2957.6) v2(3566.3,2897.6)